# Altium PCB 10515.0462_全联供主板(2拼版)_V1.0.PcbDoc (part 18 of 18)
Units mm, origin at the board's own origin, x right, y up, seen from the top; angles counter-clockwise.
Board outline 282 x 198 mm, 2 copper layers (Top Layer, Bottom Layer); 716 components, 0 nets, 2364 pads, 1800 vias.
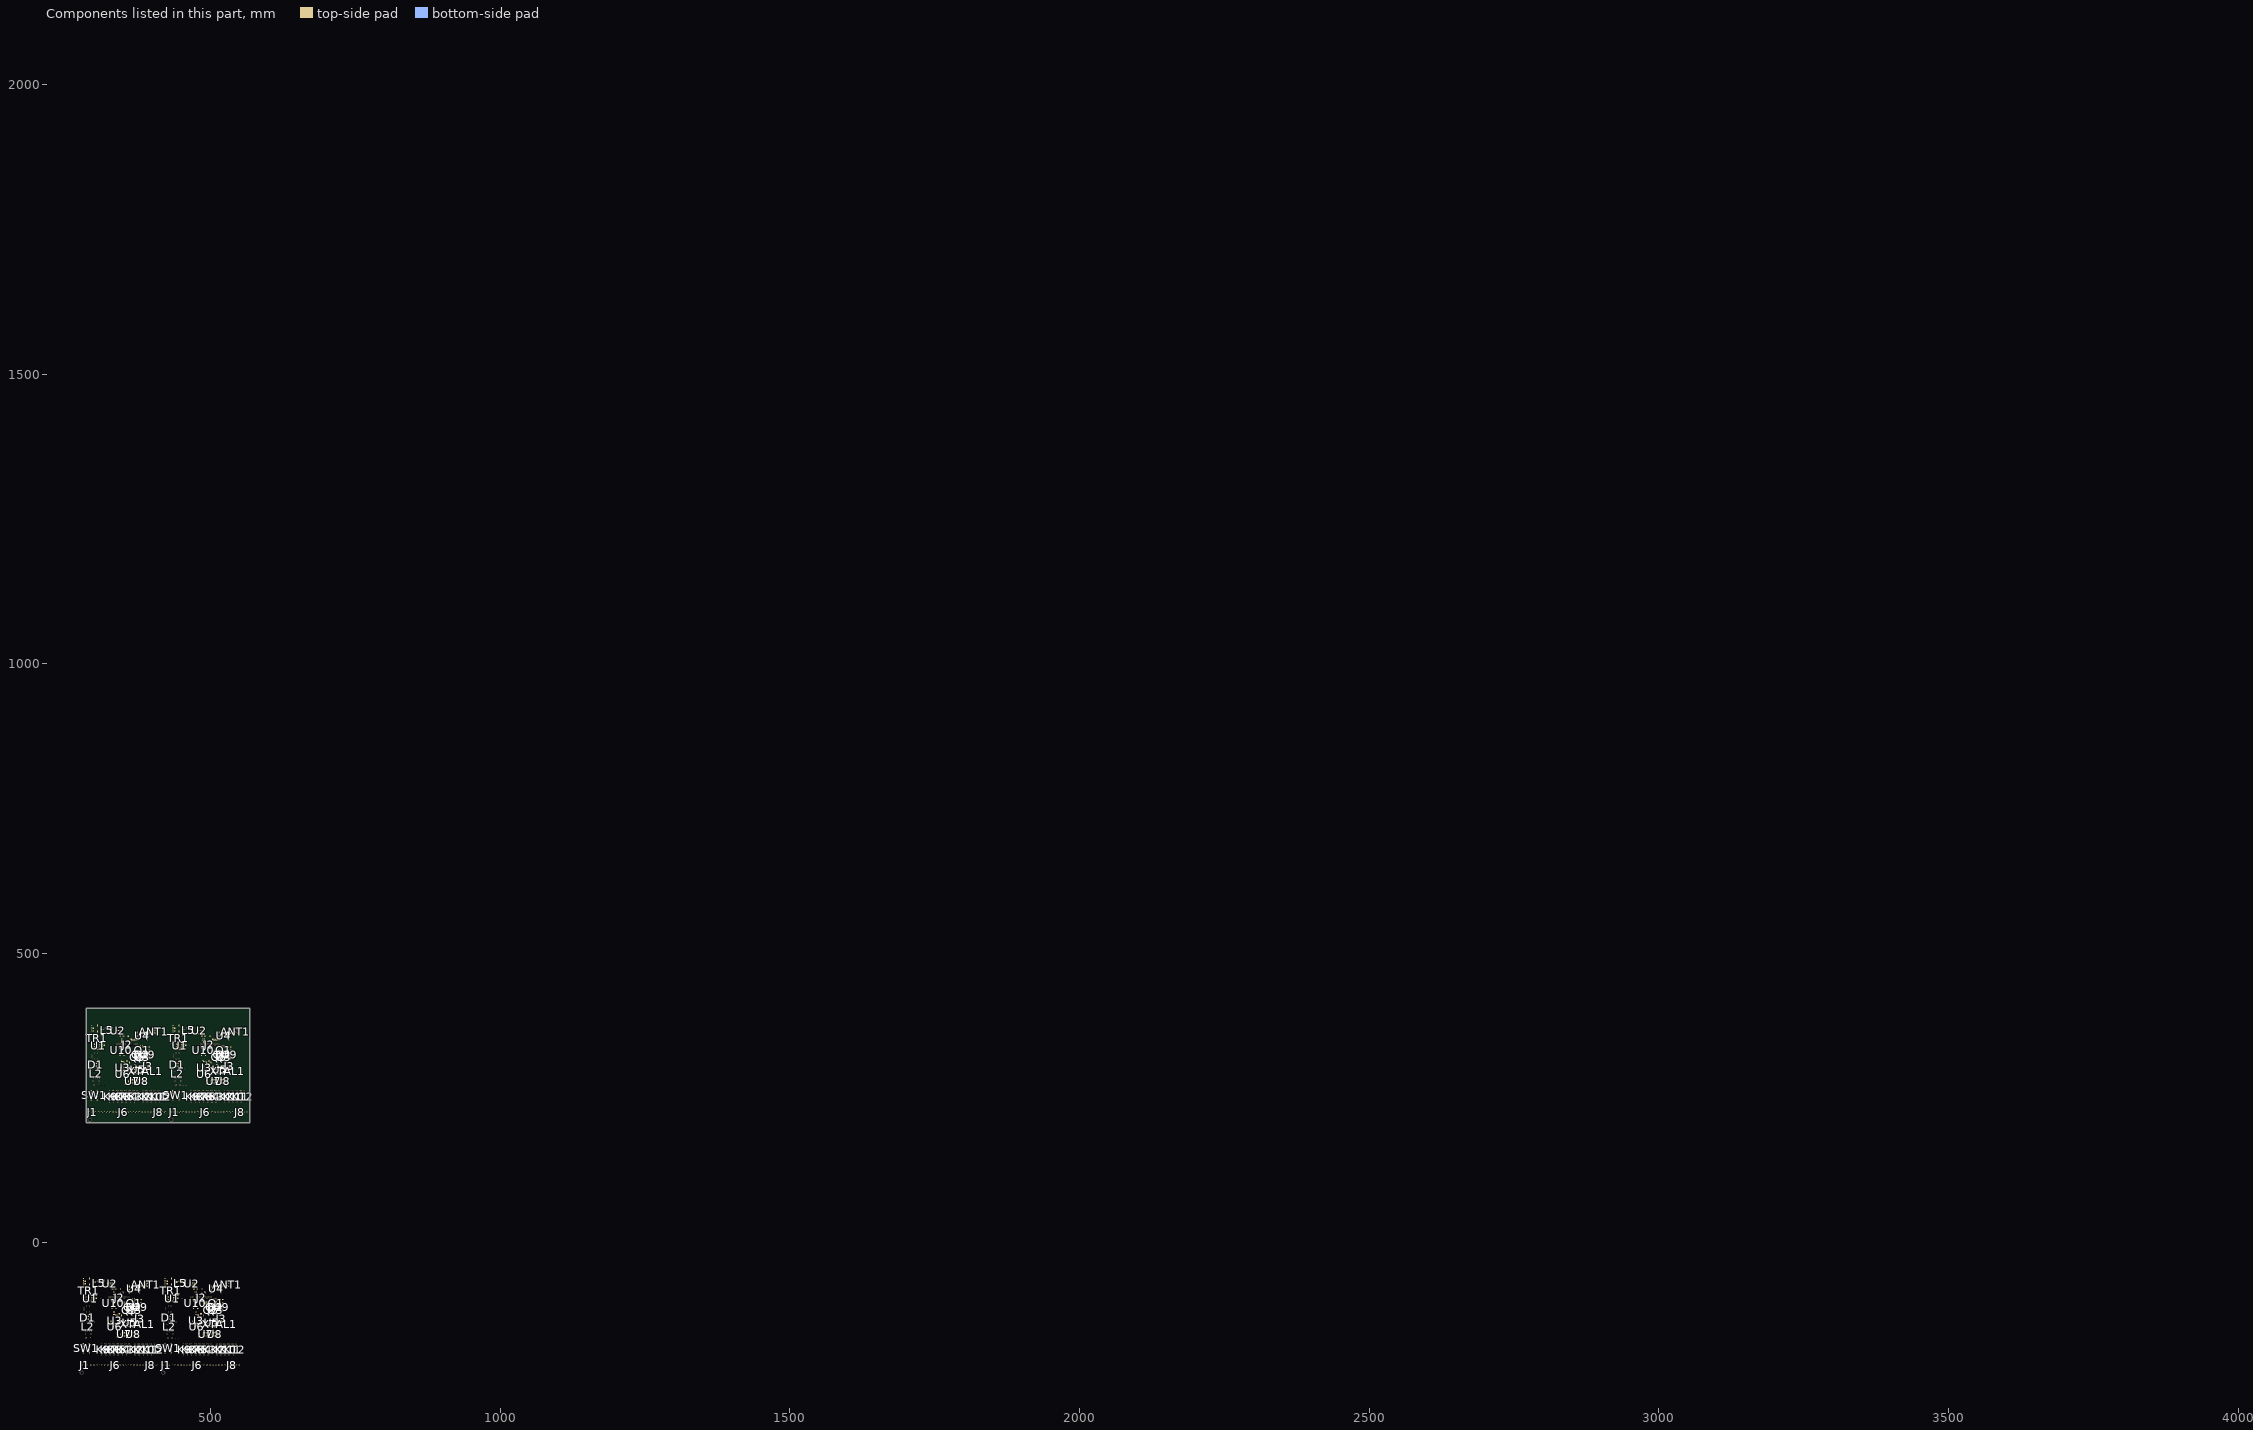
[diagram p18: the components of this part, seen from the top]

## Other copper
Top Layer:
  rectangle: 529.62,361.385 537.26,362.114
  rectangle: 536.974,362.114 537.768,362.977
  rectangle: 529.978,365.449 538.276,365.789
  rectangle: 530.148,362.02 530.402,365.576
  rectangle: 530.105,363.29 533.577,363.925
  rectangle: 532.688,361.707 533.577,363.544
  rectangle: 531.291,362.655 532.18,363.671
  rectangle: 476.698,364.306 477.57,365.476
  rectangle: 491.286,355.162 492.048,359.125
  rectangle: 388.62,361.385 396.26,362.114
  rectangle: 395.974,362.114 396.768,362.977
  rectangle: 388.978,365.449 397.276,365.789
  rectangle: 389.148,362.02 389.402,365.576
  rectangle: 389.105,363.29 392.577,363.925
  rectangle: 391.688,361.707 392.577,363.544
  rectangle: 390.291,362.655 391.18,363.671
  rectangle: 335.698,364.306 336.57,365.476
  rectangle: 350.286,355.162 351.048,359.125
  rectangle: 515.991,-75.21 523.631,-74.482
  rectangle: 523.345,-74.482 524.139,-73.618
  rectangle: 516.349,-71.146 524.647,-70.806
  rectangle: 516.519,-74.575 516.773,-71.019
  rectangle: 516.476,-73.305 519.948,-72.67
  rectangle: 519.059,-74.888 519.948,-73.051
  rectangle: 517.662,-73.94 518.551,-72.924
  rectangle: 463.07,-72.289 463.941,-71.119
  rectangle: 477.657,-81.433 478.419,-77.47
  rectangle: 374.991,-75.21 382.631,-74.482
  rectangle: 382.345,-74.482 383.139,-73.618
  rectangle: 375.349,-71.146 383.647,-70.806
  rectangle: 375.519,-74.575 375.773,-71.019
  rectangle: 375.476,-73.305 378.948,-72.67
  rectangle: 378.059,-74.888 378.948,-73.051
  rectangle: 376.662,-73.94 377.551,-72.924
  rectangle: 322.07,-72.289 322.941,-71.119
  rectangle: 336.657,-81.433 337.419,-77.47
  pour cut-out: 487.73,313.125 487.73,311.728 488.492,310.966 490.143,310.966 490.27,311.093 490.143,311.093 487.984,313.252 487.857,313.125
  pour cut-out: 522.909,319.729 523.925,319.729 524.941,320.745 524.941,320.872 524.306,321.507 523.29,321.507 522.909,321.126
  pour cut-out: 500.557,345.637 516.305,345.637 516.559,345.383 516.559,343.859 516.432,343.732 500.811,343.732 500.557,343.986
  pour cut-out: 519.861,322.65 521.004,322.65 521.512,322.142 521.512,320.745 521.131,320.364 519.988,320.364 519.734,320.618 519.734,322.523
  pour cut-out: 524.56,324.428 525.83,324.428 526.338,323.92 526.338,323.158 526.084,322.904 524.941,322.904 524.56,323.285
  pour cut-out: 514.781,334.715 518.337,334.715 518.591,334.461 518.591,328.492 517.448,327.349 514.527,327.349 514.4,327.476 514.4,334.334
  pour cut-out: 532.434,300.552 532.434,292.17 532.815,292.17 532.942,292.297 533.069,292.297 533.176,296.361 533.196,300.425 532.942,300.425 532.815,300.552
  pour cut-out: 488.111,348.177 488.111,345.47 488.619,344.962 488.619,336.493 488.492,336.366 488.111,336.366 487.476,337.001 487.476,347.542
  pour cut-out: 510.541,352.344 510.662,352.465 513.257,352.465 513.257,354.4 513.13,354.527 511.606,354.527 510.541,353.463
  pour cut-out: 498.144,355.67 497.509,355.035 497.509,351.098 498.017,351.098 498.144,351.225
  pour cut-out: 483.412,324.809 483.666,324.555 489,329.889 489,330.27 488.619,330.651 488.619,340.728 484.131,336.239 483.412,336.239
  pour cut-out: 516.94,324.047 521.893,324.047 522.528,324.682 522.528,333.572 521.385,334.715 516.686,334.715 516.432,334.461 516.432,324.555
  pour cut-out: 511.783,322.109 514.053,322.109 514.781,321.38 514.781,320.872 513.003,319.094 511.733,319.094 511.352,319.475 511.83,319.954 511.83,322.156
  pour cut-out: 529.005,321.126 530.148,321.126 530.148,323.666 529.64,324.174 528.243,324.174 528.243,321.888
  pour cut-out: 508.304,336.366 510.59,336.366 510.971,335.985 510.971,334.842 509.919,334.842 509.73,334.654 509.161,335.223 508.079,335.223 508.079,336.142
  pour cut-out: 474.522,370.656 474.522,368.37 473.887,368.37 473.887,370.021
  pour cut-out: 346.73,313.125 346.73,311.728 347.492,310.966 349.143,310.966 349.27,311.093 349.143,311.093 346.984,313.252 346.857,313.125
  pour cut-out: 381.909,319.729 382.925,319.729 383.941,320.745 383.941,320.872 383.306,321.507 382.29,321.507 381.909,321.126
  pour cut-out: 359.557,345.637 375.305,345.637 375.559,345.383 375.559,343.859 375.432,343.732 359.811,343.732 359.557,343.986
  pour cut-out: 378.861,322.65 380.004,322.65 380.512,322.142 380.512,320.745 380.131,320.364 378.988,320.364 378.734,320.618 378.734,322.523
  pour cut-out: 383.56,324.428 384.83,324.428 385.338,323.92 385.338,323.158 385.084,322.904 383.941,322.904 383.56,323.285
  pour cut-out: 373.781,334.715 377.337,334.715 377.591,334.461 377.591,328.492 376.448,327.349 373.527,327.349 373.4,327.476 373.4,334.334
  pour cut-out: 391.434,300.552 391.434,292.17 391.815,292.17 391.942,292.297 392.069,292.297 392.176,296.361 392.196,300.425 391.942,300.425 391.815,300.552
  pour cut-out: 347.111,348.177 347.111,345.47 347.619,344.962 347.619,336.493 347.492,336.366 347.111,336.366 346.476,337.001 346.476,347.542
  pour cut-out: 369.541,352.344 369.662,352.465 372.257,352.465 372.257,354.4 372.13,354.527 370.606,354.527 369.541,353.463
  pour cut-out: 357.144,355.67 356.509,355.035 356.509,351.098 357.017,351.098 357.144,351.225
  pour cut-out: 342.412,324.809 342.666,324.555 348,329.889 348,330.27 347.619,330.651 347.619,340.728 343.131,336.239 342.412,336.239
  pour cut-out: 375.94,324.047 380.893,324.047 381.528,324.682 381.528,333.572 380.385,334.715 375.686,334.715 375.432,334.461 375.432,324.555
  pour cut-out: 370.783,322.109 373.053,322.109 373.781,321.38 373.781,320.872 372.003,319.094 370.733,319.094 370.352,319.475 370.83,319.954 370.83,322.156
  pour cut-out: 388.005,321.126 389.148,321.126 389.148,323.666 388.64,324.174 387.243,324.174 387.243,321.888
  pour cut-out: 367.304,336.366 369.59,336.366 369.971,335.985 369.971,334.842 368.919,334.842 368.73,334.654 368.161,335.223 367.079,335.223 367.079,336.142
  pour cut-out: 333.522,370.656 333.522,368.37 332.887,368.37 332.887,370.021
  pour cut-out: 474.101,-123.47 474.101,-124.867 474.863,-125.629 476.514,-125.629 476.641,-125.502 476.514,-125.502 474.355,-123.343 474.228,-123.47
  pour cut-out: 509.28,-116.866 510.296,-116.866 511.312,-115.85 511.312,-115.723 510.677,-115.088 509.661,-115.088 509.28,-115.469
  pour cut-out: 486.928,-90.958 502.676,-90.958 502.93,-91.212 502.93,-92.736 502.803,-92.863 487.182,-92.863 486.928,-92.609
  pour cut-out: 506.232,-113.945 507.375,-113.945 507.883,-114.453 507.883,-115.85 507.502,-116.231 506.359,-116.231 506.105,-115.977 506.105,-114.072
  pour cut-out: 510.931,-112.167 512.201,-112.167 512.709,-112.675 512.709,-113.437 512.455,-113.691 511.312,-113.691 510.931,-113.31
  pour cut-out: 501.152,-101.88 504.708,-101.88 504.962,-102.134 504.962,-108.103 503.819,-109.246 500.898,-109.246 500.771,-109.119 500.771,-102.261
  pour cut-out: 518.805,-136.043 518.805,-144.425 519.186,-144.425 519.313,-144.298 519.44,-144.298 519.547,-140.234 519.567,-136.17 519.313,-136.17 519.186,-136.043
  pour cut-out: 474.482,-88.418 474.482,-91.125 474.99,-91.633 474.99,-100.102 474.863,-100.229 474.482,-100.229 473.847,-99.594 473.847,-89.053
  pour cut-out: 496.912,-84.251 497.034,-84.13 499.628,-84.13 499.628,-82.195 499.501,-82.068 497.977,-82.068 496.912,-83.133
  pour cut-out: 484.515,-80.925 483.88,-81.56 483.88,-85.497 484.388,-85.497 484.515,-85.37
  pour cut-out: 469.783,-111.786 470.037,-112.04 475.371,-106.706 475.371,-106.325 474.99,-105.944 474.99,-95.868 470.502,-100.356 469.783,-100.356
  pour cut-out: 503.311,-112.548 508.264,-112.548 508.899,-111.913 508.899,-103.023 507.756,-101.88 503.057,-101.88 502.803,-102.134 502.803,-112.04
  pour cut-out: 498.154,-114.487 500.424,-114.487 501.152,-115.215 501.152,-115.723 499.374,-117.501 498.104,-117.501 497.723,-117.12 498.202,-116.642 498.202,-114.439
  pour cut-out: 515.376,-115.469 516.519,-115.469 516.519,-112.929 516.011,-112.421 514.614,-112.421 514.614,-114.707
  pour cut-out: 494.675,-100.229 496.961,-100.229 497.342,-100.61 497.342,-101.753 496.29,-101.753 496.101,-101.941 495.532,-101.372 494.45,-101.372 494.45,-100.454
  pour cut-out: 460.893,-65.939 460.893,-68.225 460.258,-68.225 460.258,-66.574
  pour cut-out: 333.101,-123.47 333.101,-124.867 333.863,-125.629 335.514,-125.629 335.641,-125.502 335.514,-125.502 333.355,-123.343 333.228,-123.47
  pour cut-out: 368.28,-116.866 369.296,-116.866 370.312,-115.85 370.312,-115.723 369.677,-115.088 368.661,-115.088 368.28,-115.469
  pour cut-out: 345.928,-90.958 361.676,-90.958 361.93,-91.212 361.93,-92.736 361.803,-92.863 346.182,-92.863 345.928,-92.609
  pour cut-out: 365.232,-113.945 366.375,-113.945 366.883,-114.453 366.883,-115.85 366.502,-116.231 365.359,-116.231 365.105,-115.977 365.105,-114.072
  pour cut-out: 369.931,-112.167 371.201,-112.167 371.709,-112.675 371.709,-113.437 371.455,-113.691 370.312,-113.691 369.931,-113.31
  pour cut-out: 360.152,-101.88 363.708,-101.88 363.962,-102.134 363.962,-108.103 362.819,-109.246 359.898,-109.246 359.771,-109.119 359.771,-102.261
  pour cut-out: 377.805,-136.043 377.805,-144.425 378.186,-144.425 378.313,-144.298 378.44,-144.298 378.547,-140.234 378.567,-136.17 378.313,-136.17 378.186,-136.043
  pour cut-out: 333.482,-88.418 333.482,-91.125 333.99,-91.633 333.99,-100.102 333.863,-100.229 333.482,-100.229 332.847,-99.594 332.847,-89.053
  pour cut-out: 355.912,-84.251 356.034,-84.13 358.628,-84.13 358.628,-82.195 358.501,-82.068 356.977,-82.068 355.912,-83.133
  pour cut-out: 343.515,-80.925 342.88,-81.56 342.88,-85.497 343.388,-85.497 343.515,-85.37
  pour cut-out: 328.783,-111.786 329.037,-112.04 334.371,-106.706 334.371,-106.325 333.99,-105.944 333.99,-95.868 329.502,-100.356 328.783,-100.356
  pour cut-out: 362.311,-112.548 367.264,-112.548 367.899,-111.913 367.899,-103.023 366.756,-101.88 362.057,-101.88 361.803,-102.134 361.803,-112.04
  pour cut-out: 357.154,-114.487 359.424,-114.487 360.152,-115.215 360.152,-115.723 358.374,-117.501 357.104,-117.501 356.723,-117.12 357.202,-116.642 357.202,-114.439
  pour cut-out: 374.376,-115.469 375.519,-115.469 375.519,-112.929 375.011,-112.421 373.614,-112.421 373.614,-114.707
  pour cut-out: 353.675,-100.229 355.961,-100.229 356.342,-100.61 356.342,-101.753 355.29,-101.753 355.101,-101.941 354.532,-101.372 353.45,-101.372 353.45,-100.454
  pour cut-out: 319.893,-65.939 319.893,-68.225 319.258,-68.225 319.258,-66.574
Bottom Layer:
  rectangle: 488.746,344.901 490.778,346.145
  rectangle: 347.746,344.901 349.778,346.145
  rectangle: 475.117,-91.694 477.149,-90.45
  rectangle: 334.117,-91.694 336.149,-90.45
  pour cut-out: 482.904,340.303 484.555,338.652 516.051,338.652 516.305,338.906 516.305,343.478 514.882,344.901 508.313,344.901 507.704,345.51 507.542,345.51 506.399,344.367 483.412,344.367 482.904,343.859
  pour cut-out: 521.131,295.218 525.804,290.545 529.005,290.545 531.961,290.554 532.561,291.154 532.561,300.044 531.545,301.06 525.85,301.06 521.659,296.869 521.131,296.869 521.131,297.631 525.195,301.695 531.926,301.695 533.323,300.171 533.323,290.138 532.942,289.757 529.259,289.757 525.576,289.757 521.004,294.329 521.131,294.456
  pour cut-out: 474.522,370.656 474.522,368.37 473.887,368.37 473.887,370.148 474.014,370.148
  pour cut-out: 341.904,340.303 343.555,338.652 375.051,338.652 375.305,338.906 375.305,343.478 373.882,344.901 367.313,344.901 366.704,345.51 366.542,345.51 365.399,344.367 342.412,344.367 341.904,343.859
  pour cut-out: 380.131,295.218 384.804,290.545 388.005,290.545 390.961,290.554 391.561,291.154 391.561,300.044 390.545,301.06 384.85,301.06 380.659,296.869 380.131,296.869 380.131,297.631 384.195,301.695 390.926,301.695 392.323,300.171 392.323,290.138 391.942,289.757 388.259,289.757 384.576,289.757 380.004,294.329 380.131,294.456
  pour cut-out: 333.522,370.656 333.522,368.37 332.887,368.37 332.887,370.148 333.014,370.148
  pour cut-out: 469.275,-96.292 470.926,-97.943 502.422,-97.943 502.676,-97.689 502.676,-93.117 501.253,-91.694 494.684,-91.694 494.075,-91.085 493.913,-91.085 492.77,-92.228 469.783,-92.228 469.275,-92.736
  pour cut-out: 507.502,-141.377 512.175,-146.05 515.376,-146.05 518.332,-146.041 518.932,-145.441 518.932,-136.551 517.916,-135.535 512.221,-135.535 508.03,-139.726 507.502,-139.726 507.502,-138.964 511.566,-134.9 518.297,-134.9 519.694,-136.424 519.694,-146.457 519.313,-146.838 515.63,-146.838 511.947,-146.838 507.375,-142.266 507.502,-142.139
  pour cut-out: 460.893,-65.939 460.893,-68.225 460.258,-68.225 460.258,-66.447 460.385,-66.447
  pour cut-out: 328.275,-96.292 329.926,-97.943 361.422,-97.943 361.676,-97.689 361.676,-93.117 360.253,-91.694 353.684,-91.694 353.075,-91.085 352.913,-91.085 351.77,-92.228 328.783,-92.228 328.275,-92.736
  pour cut-out: 366.502,-141.377 371.175,-146.05 374.376,-146.05 377.332,-146.041 377.932,-145.441 377.932,-136.551 376.916,-135.535 371.221,-135.535 367.03,-139.726 366.502,-139.726 366.502,-138.964 370.566,-134.9 377.297,-134.9 378.694,-136.424 378.694,-146.457 378.313,-146.838 374.63,-146.838 370.947,-146.838 366.375,-142.266 366.502,-142.139
  pour cut-out: 319.893,-65.939 319.893,-68.225 319.258,-68.225 319.258,-66.447 319.385,-66.447

## Silkscreen, mask and mechanical layers (free items; w line width, h text height)
Top Overlay:
  drawing of 3110 lines, arcs and shapes, not listed
  text "10515.0462_全联供主板_V1.0" at 339.236,378.838 h3.5
  text "10515.0462_全联供主板_V1.0" at 480.236,378.838 h3.5
  text "20200526H1.6Sn" at 344.698,375.355 h3.5
  text "20200526H1.6Sn" at 485.698,375.355 h3.5
  text "PE" at 288.437,216.478 h3
  text "N1" at 305.582,216.478 h3
  text "L1" at 310.154,216.478 h3
  text "PE" at 429.437,216.478 h3
  text "N1" at 446.582,216.478 h3
  text "L1" at 451.154,216.478 h3
  text "L" at 300.121,216.351 h3
  text "L" at 441.121,216.351 h3
  text "N" at 294.787,216.224 h3
  text "N" at 435.787,216.224 h3
  text "水泵" at 306.471,213.303 h3
  text "水泵" at 447.471,213.303 h3
  text "外机联动开关" at 394.609,211.906 h2
  text "外机联动开关" at 535.609,211.906 h2
  text "制热开关" at 415.979,211.893 h2
  text "制热开关" at 556.979,211.893 h2
  text "执行器1" at 312.821,211.398 h3
  text "执行器2" at 323.017,211.398 h3
  text "执行器3" at 333.213,211.398 h3
  text "执行器4" at 343.41,211.398 h3
  text "执行器5" at 353.606,211.398 h3
  text "执行器6" at 363.802,211.398 h3
  text "执行器7" at 373.999,211.398 h3
  text "执行器8" at 384.195,211.398 h3
  text "执行器1" at 453.821,211.398 h3
  text "执行器2" at 464.017,211.398 h3
  text "执行器3" at 474.213,211.398 h3
  text "执行器4" at 484.41,211.398 h3
  text "执行器5" at 494.606,211.398 h3
  text "执行器6" at 504.802,211.398 h3
  text "执行器7" at 514.999,211.398 h3
  text "执行器8" at 525.195,211.398 h3
  text "制冷开关" at 405.785,208.731 h2
  text "制冷开关" at 546.785,208.731 h2
  text "10515.0462_全联供主板_V1.0" at 325.607,-57.757 h3.5
  text "10515.0462_全联供主板_V1.0" at 466.607,-57.757 h3.5
  text "20200407H1.6Sn" at 331.069,-61.24 h3.5
  text "20200407H1.6Sn" at 472.069,-61.24 h3.5
  text "PE" at 274.808,-220.117 h3
  text "N1" at 291.953,-220.117 h3
  text "L1" at 296.525,-220.117 h3
  text "PE" at 415.808,-220.117 h3
  text "N1" at 432.953,-220.117 h3
  text "L1" at 437.525,-220.117 h3
  text "L" at 286.492,-220.244 h3
  text "L" at 427.492,-220.244 h3
  text "N" at 281.158,-220.371 h3
  text "N" at 422.158,-220.371 h3
  text "水泵" at 292.842,-223.292 h3
  text "水泵" at 433.842,-223.292 h3
  text "外机联动开关" at 380.98,-224.689 h2
  text "外机联动开关" at 521.98,-224.689 h2
  text "制热开关" at 402.35,-224.703 h2
  text "制热开关" at 543.35,-224.703 h2
  text "执行器1" at 299.192,-225.197 h3
  text "执行器2" at 309.388,-225.197 h3
  text "执行器3" at 319.585,-225.197 h3
  text "执行器4" at 329.781,-225.197 h3
  text "执行器5" at 339.977,-225.197 h3
  text "执行器6" at 350.174,-225.197 h3
  text "执行器7" at 360.37,-225.197 h3
  text "执行器8" at 370.566,-225.197 h3
  text "执行器1" at 440.192,-225.197 h3
  text "执行器2" at 450.388,-225.197 h3
  text "执行器3" at 460.585,-225.197 h3
  text "执行器4" at 470.781,-225.197 h3
  text "执行器5" at 480.977,-225.197 h3
  text "执行器6" at 491.174,-225.197 h3
  text "执行器7" at 501.37,-225.197 h3
  text "执行器8" at 511.566,-225.197 h3
  text "制冷开关" at 392.156,-227.864 h2
  text "制冷开关" at 533.156,-227.864 h2
Bottom Overlay:
  circle w0.152: c1343.817,2045.24 r0.3
  circle w0.152: c1345.817,2045.24 r0.3
  circle w0.152: c1347.817,2045.24 r0.3
  circle w0.152: c1349.817,2045.24 r0.3
  circle w0.152: c1351.817,2045.24 r0.3
  circle w0.152: c1353.817,2045.24 r0.3
  circle w0.152: c1355.817,2045.24 r0.3
  circle w0.152: c1357.817,2045.24 r0.3
  circle w0.152: c1359.817,2045.24 r0.3
  circle w0.152: c1361.817,2045.24 r0.3
  circle w0.152: c1363.817,2045.24 r0.3
  circle w0.152: c1365.817,2045.24 r0.3
  rectangle: 441.756,308.553 442.772,311.347
  rectangle: 300.756,308.553 301.772,311.347
  rectangle: 428.127,-128.042 429.143,-125.248
  rectangle: 287.127,-128.042 288.143,-125.248
  lines w0.127: 271.379,-217.887 412.379,-217.887 553.379,-217.887 ; 271.379,-41.887 412.379,-41.887 553.379,-41.887 ; 285.008,218.708 426.008,218.708 567.008,218.708 ; 285.008,394.708 426.008,394.708 567.008,394.708
  lines w0.152: 1341.317,2044.24 1341.317,2043.64 1341.817,2043.64 1341.817,2047.14 1341.317,2047.14 1341.317,2046.54 ; 1341.817,2044.24 1340.817,2044.24 1340.817,2042.34 1368.817,2042.34 1368.817,2044.24 1367.817,2044.24 ; 1341.817,2046.54 1340.817,2046.54 1340.817,2047.74 1368.817,2047.74 1368.817,2046.54 1367.817,2046.54 ; 1368.317,2044.24 1368.317,2043.64 1367.817,2043.64 1367.817,2047.14 1368.317,2047.14 1368.317,2046.54 ; 1342.417,2042.84 1367.217,2042.84 1367.217,2046.34 1364.692,2046.34 1364.692,2047.24 1344.942,2047.24 1344.942,2046.34 1342.417,2046.34 1342.417,2042.84
Mechanical 8:
  drawing of 280 lines, arcs and shapes, not listed

## Text inside footprints (layer, text, board x,y; h text height)
EC9: Top Overlay "+" at 497.103,307.328 h1.6 r180
EC9: Top Overlay "+" at 356.103,307.328 h1.6 r180
EC9: Top Overlay "+" at 483.474,-129.268 h1.6 r180
EC9: Top Overlay "+" at 342.474,-129.268 h1.6 r180
SW1: Top Overlay "I" at 454.837,270.834 h3 r270; Top Overlay "O" at 433.755,271.723 h3 r270
SW1: Top Overlay "I" at 313.837,270.834 h3 r270; Top Overlay "O" at 292.755,271.723 h3 r270
SW1: Top Overlay "I" at 441.208,-165.761 h3 r270; Top Overlay "O" at 420.126,-164.872 h3 r270
SW1: Top Overlay "I" at 300.208,-165.761 h3 r270; Top Overlay "O" at 279.126,-164.872 h3 r270